# Altium PCB Scope.PcbDoc (continued)
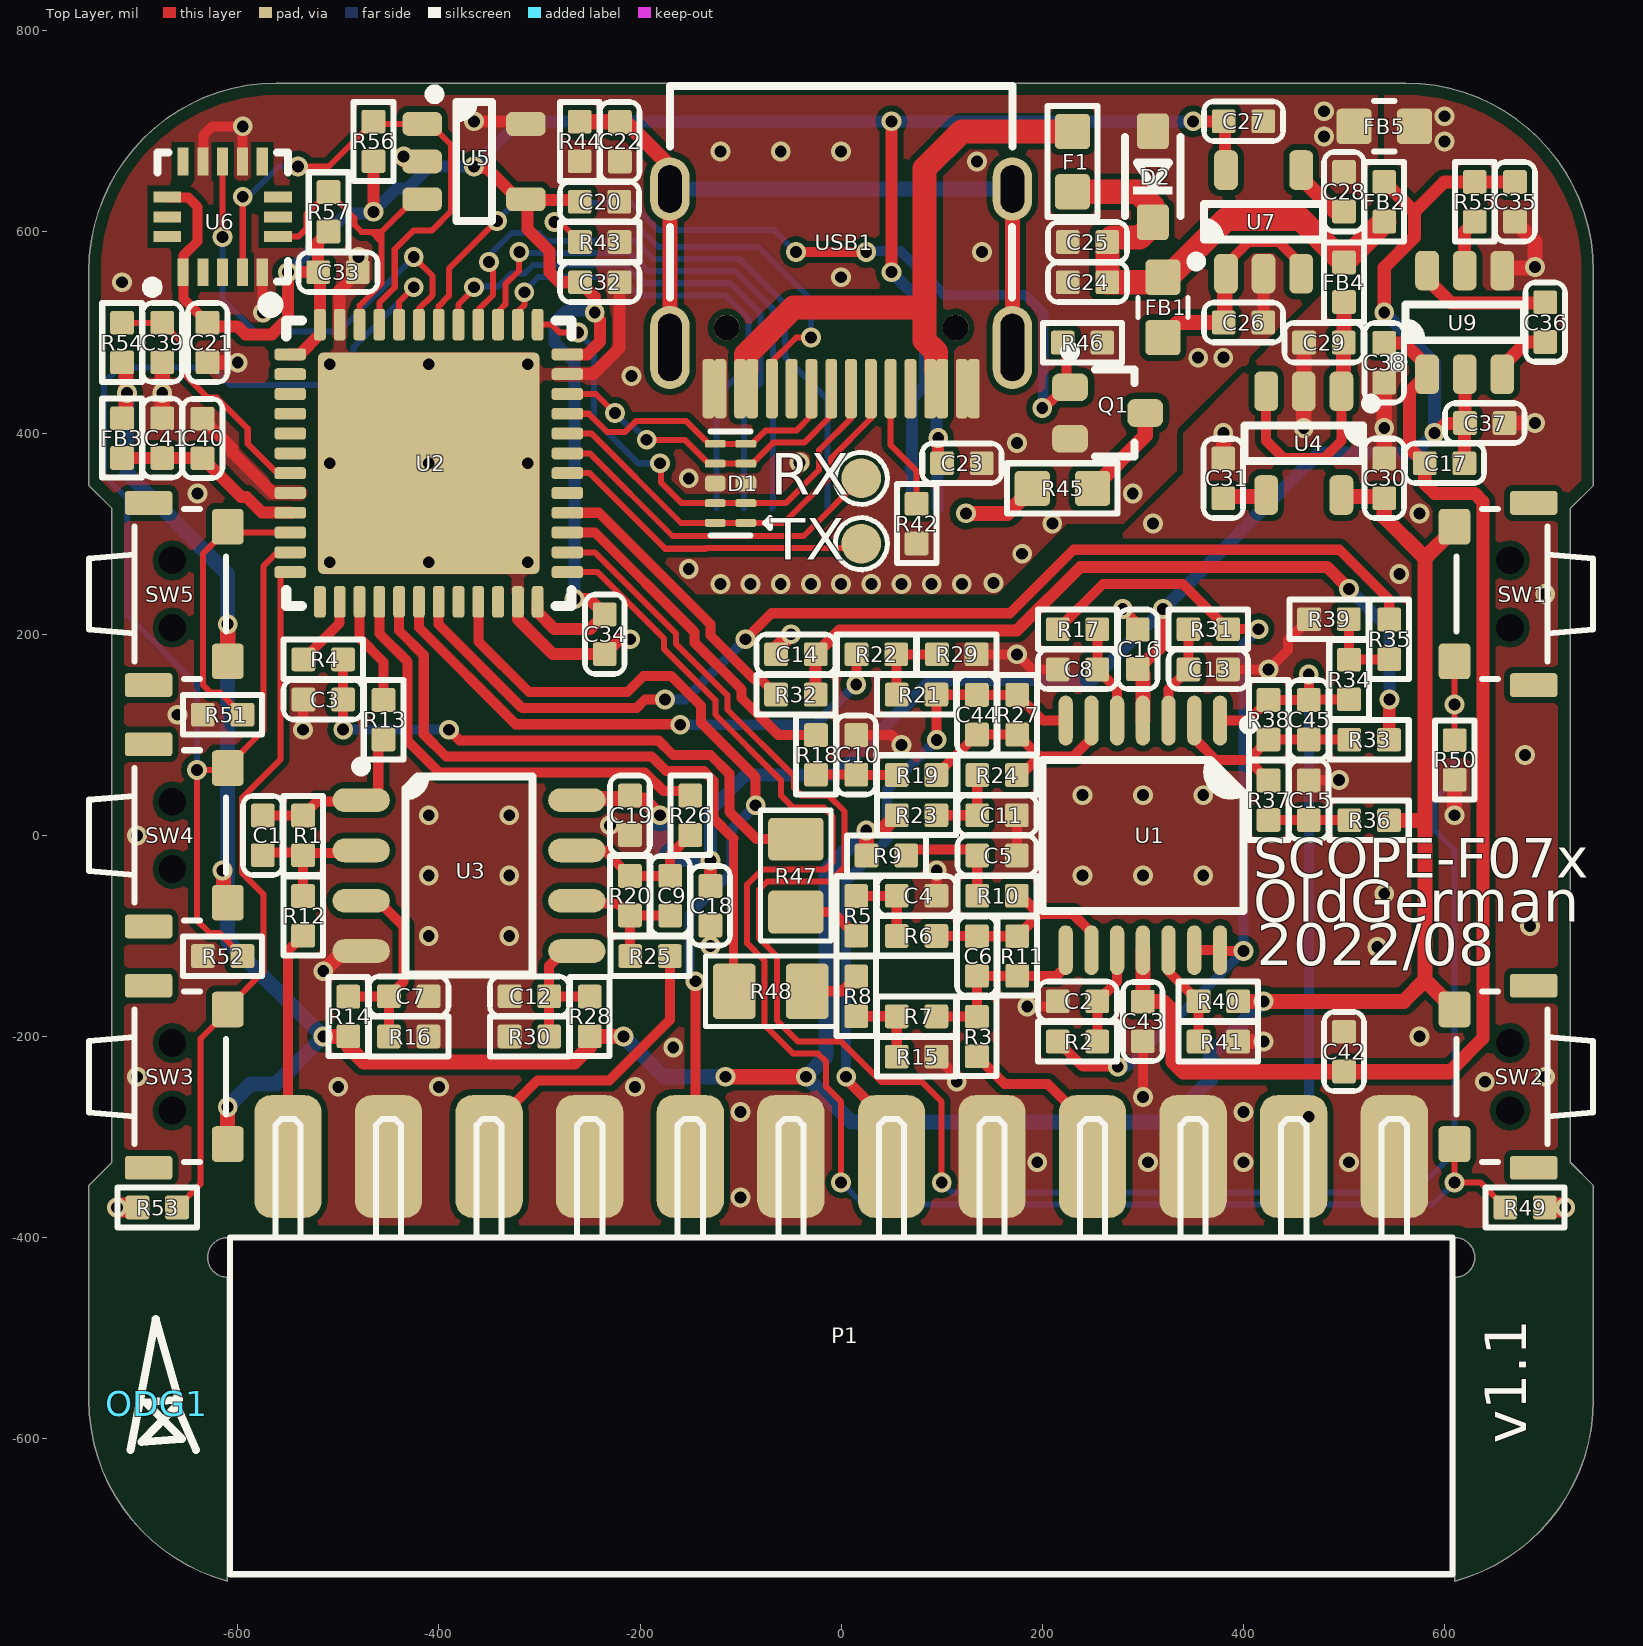
[diagram p0: Top Layer view]
## Footprints (in the part's own frame and the unit in brackets; to place one, negate y for a bottom-side part, rotate by r counter-clockwise, add the part's x,y. Pads: shape width x height; smd on the part's side, far side on the other; paste and mask are expansions set on the pad) (continued)
ODG_LOGO [mil]
  silkscreen extent -26,-46 39,84
"ON SEMI TSSOP-14 948G" [mm] "TSSOP, 14-Leads, Body 5.00x4.40mm, Pitch 0.65mm, IPC Medium Density"
  oval 1.26x0.36 smd: 1(-2.9,1.95) 2(-2.9,1.3) 3(-2.9,0.65) 4(-2.9,0) 5(-2.9,-0.65) 6(-2.9,-1.3) 7(-2.9,-1.95) 8(2.9,-1.95) 9(2.9,-1.3) 10(2.9,-0.65) 11(2.9,0) 12(2.9,0.65) 13(2.9,1.3) 14(2.9,1.95)
  silkscreen extent -2.92,-2.54 1.91,2.8, body extent -3.21,-2.5 3.21,2.5, height 1.2
R0402 [mm]
  rrect20% 0.6x0.6 smd: 1(-0.5,0) 2(0.5,0)
  silkscreen extent -1,-0.5 1,0.5, body extent -0.5,-0.25 0.5,0.25, height 0.35
R0603 [mil]
  rrect25% 35x35 smd: 1(-30,0) 2(30,0)
  silkscreen extent -55,-25 55,25, body extent -31,-16 31,16, height 18
R0805 [mil]
  rrect20% 42.5x55 smd: 1(-36.26,0) 2(36.26,0)
  silkscreen extent -65,-35 65,35, body extent -39,-25 39,25, height 24
SOD-323 [mm]
  rrect25% 0.9x0.8 smd: 1(-1.15,0) 2(1.15,0)
  silkscreen extent -1,-0.7 1,0.7, body extent -1.36,-0.62 1.36,0.63, height 1.05
TACTILE_SWITCH_SMD_4.6x1.82x3.5mm_1TS003B [mm]
  round 0.65 hole 0.7: 0(0.85,0) 0_1(-0.85,0)
  rrect25% 0.9x0.8 smd: 1(-1.7,-1.4) 2(1.7,-1.4)
  rrect25% 0.6x1.2 smd: 3(-2.3,0.6) 3_1(2.3,0.6)
  silkscreen extent -2.15,-1.35 2.15,2.1, body extent -2.35,-1.55 2.35,2.1, height 1.9
Type-C-TOP [mm]
  round 0.65 hole 0.65: 0(-6.1,-2.89) 0_1(-6.1,2.89)
  oval 1.6x1 hole 0.6 slot 1.2 at 0 deg: 1(-2.6,4.325) 2(-2.6,-4.325)
  oval 2.1x1 hole 0.6 slot 1.7 at 0 deg: 3(-6.6,-4.325) 4(-6.6,4.325)
  rrect50% 1.5x0.3 smd: A1(-7.64,-3.35) A4(-7.64,-2.55) A5(-7.64,-1.25) A6(-7.64,-0.25) A7(-7.64,0.25) A8(-7.64,1.25) A9(-7.64,2.55) A12(-7.64,3.35) B1(-7.64,3.05) B4(-7.64,2.25) B5(-7.64,1.75) B6(-7.64,0.75) B7(-7.64,-0.75) B8(-7.64,-1.75) B9(-7.64,-2.25) B12(-7.64,-3.05)
  silkscreen extent -5.34,-4.33 0,4.33, body extent -7.69,-4.48 0.06,4.47, height 3.26
UFQFPN-48_7X7X0P55MM_VIA [mm] "STM32_QFN48"
  rrect50% 0.8x0.3 smd: 1(-3.5,2.75) 2(-3.5,2.25) 3(-3.5,1.75) 4(-3.5,1.25) 5(-3.5,0.75) 6(-3.5,0.25) 7(-3.5,-0.25) 8(-3.5,-0.75) 9(-3.5,-1.25) 10(-3.5,-1.75) 11(-3.5,-2.25) 12(-3.5,-2.75) 25(3.5,-2.75) 26(3.5,-2.25) 27(3.5,-1.75) 28(3.5,-1.25) 29(3.5,-0.75) 30(3.5,-0.25) 31(3.5,0.25) 32(3.5,0.75) 33(3.5,1.25) 34(3.5,1.75) 35(3.5,2.25) 36(3.5,2.75)
  rrect50% 0.3x0.8 smd: 13(-2.75,-3.5) 14(-2.25,-3.5) 15(-1.75,-3.5) 16(-1.25,-3.5) 17(-0.75,-3.5) 18(-0.25,-3.5) 19(0.25,-3.5) 20(0.75,-3.5) 21(1.25,-3.5) 22(1.75,-3.5) 23(2.25,-3.5) 24(2.75,-3.5) 37(2.75,3.5) 38(2.25,3.5) 39(1.75,3.5) 40(1.25,3.5) 41(0.75,3.5) 42(0.25,3.5) 43(-0.25,3.5) 44(-0.75,3.5) 45(-1.25,3.5) 46(-1.75,3.5) 47(-2.25,3.5) 48(-2.75,3.5)
  rrect5% 5.6x5.6 smd paste-10: 49(0,0)
  round 0.6 hole 0.3 mask-10: 49_1(0,0) 49_2(0,2.5) 49_3(0,-2.5) 49_4(-2.5,-2.5) 49_5(-2.5,0) 49_6(-2.5,2.5) 49_7(2.5,2.5) 49_8(2.5,-2.5) 49_9(2.5,0)
  silkscreen extent -4.14,-3.6 3.6,4.14, body extent -3.56,-3.56 3.56,3.56, height 0.61

## Part data
C1 C2 C3 C4 C5 C6 C7 C8 C9 C10 C11 C12 C13 C14 C15 C16 C17 C18 C19 C20 C21 C22 C23 C24 C25 C26 C27 C28 C29 C30 C31 C32 C33 C34 C35 C36 C37 C38 C39 C40 C41 C42 C43 C44 C45: library part CAP, "Capacitor"
D1: "Ultra-Low Capacitance TVS Protection", 学习资源=www.o, 属性=30V/0
D2: library part DIODE, "单向 5V TVS"
F1: library part FUSE, "贴片自恢复保险丝"
FB1 FB2 FB3 FB4 FB5: library part Ferrite, "磁珠"
Q1: library part N-MOS_123, "N-MOS"
R1 R2 R3 R4 R5 R6 R7 R8 R9 R10 R11 R12 R13 R14 R15 R16 R17 R18 R19 R20 R21 R22 R23 R24 R25 R26 R27 R28 R29 R30 R31 R32 R33 R34 R35 R36 R37 R38 R39 R40 R41 R42 R43 R44 R45 R46 R47 R48 R49 R50 R51 R52 R53 R54 R55 R56 R57: library part RES, "Resistor"
SW1 SW2 SW3 SW4 SW5: "Button"
U1: Manufacturer="Analog Devices", Manufacturer Part Number=ADA4622-4ACPZ-RL, PART NUMBER=ADA4622-4, Part number IPS=00000004963, Supplier Part Number 1=ADA4622-4ACPZ-R7-ND, Artikkelnr Noca=N.A., Component Class=Misc_ICs, ComponentLink1Description=Datasheet, ComponentLink1URL=https://www.analog.com/media/en/technical-documentation/data-sheets/ada4622-1-4622-2-4622-4.pdf, ComponentLink2Description="Supplier link", ComponentLink2URL=https://www.digikey.no/product-detail/en/analog-devices-inc/ADA4622-4ACPZ-RL/ADA4622-4ACPZ-RL-ND/6490586, Footprint Doc=QFN-16, HelpURL=https://www.analog.com/en/products/ada4622-4.html, LatestRevisionDate=2019-06-19, Pad Count=17, PartId=101900585, Pin Count=17, Published=2019-06-19, Publisher="Nordic Semiconductor", Supplier 1=Digi-Key, Supplier 2=Mouser, Supplier Part Number 2=584-ADA4622-4ACPZ-R7
U2: "Mainstream Arm Cortex-M0 USB line MCU with 128 Kbytes of Flash memory, 48 MHz CPU, USB, CAN and CEC functions", Mfr_Name=STMicroelectronics, Copyright="Copyright (C) 2022 Ultra Librarian. All rights reserved.", Manufacturer_Part_Number=STM32F072CBU6, RefDes=RefDes, Type=DEV
U3: library part AD8542, ComponentLink1Description=中文, ComponentLink1URL=https://www.analog.com/media/cn/technical-documentation/data-sheets/AD8541_8542_8544_cn.pdf, ComponentLink2Description="Data Sheet", ComponentLink2URL=https://www.analog.com/media/en/technical-documentation/data-sheets/AD8541_8542_8544.pdf, 学习资源=www.o
U4: library part LP2992, "LDO"
U6: "The LIS3DH is an ultra-low-power highperformance three-axis linear accelerometer belonging to the “nano” family, with digital I2C/SPI serial interface standard output. The device features ultra-low-power operational modes that allow advanced power saving and smart embedded functions.", ComponentLink1Description=Datasheet, ComponentLink1URL=https://www.bosch-sensortec.com/media/boschsensortec/downloads/datasheets/bst-bmi160-ds000.pdf
U7: "线性稳压芯片", 学习资源=www.o
U9: "Unregulated 200mA / Charge Pump Voltage Inverter  / 1.4-5.5V to -1.4-5.5V", 学习资源=www.o
USB1: library part USB-Type-C_16P

## Free pads (board coordinates)
  round 39.37 smd: 4(20,290) 5(20,355)

## Via types
v1: diameter 19.68, hole 11.81, Top Layer to Bottom Layer, tented both sides, 166 vias

## Nets (pads, with @x,y where several pads share a name; then routed paths per layer and width w, separated by ;. In a path a pad name is that pad's centre, name@x,y a point inside that pad or via, vN(x,y) a via of type N, cw(c..) or ccw(c..) an arc to the next point about the centre after c; other vN are vias at no path point)
AGND: C2.2 C3.1 C4.1 C5.1 C7.1 C8.2 C10.1 C11.1 C12.1 C13.2 C14.1 C15.1 C16.1 C18.1 C19.1 C29.2 C30.2 C31.2 C35.1 C37.2 C38.2 C39.2 C40.2 C41.2 C42.1 C43.1 FB5.2 P1.1 P1.3 P1.5 P1.7 P1.9 P1.11 R15.1 R16.1 R29.1 R30.1 R39.1 R41.1 R49.2 R50.2 R51.2 R52.2 R53.2 U2.8 U3.4 U4.2 U9.4 | length 1212.7
  Top Layer w10: v1(-535,105) -534.84,105.16 -534.84,134.84 C3.1 ; v1(-230,10) -227.38,10 -224.51,7.13 -216.81,7.13 C19.1 ; v1(-130,-110) C18.1 ; C10.1 50.32,99.69 v1(60,90) ; R15.1 112.19,-237.5 112.19,-242.19 v1(115,-245) ; C4.1 95,-59.68 v1(95,-35) ; R29.1@135,180 v1(175,180) 190,165 C8.2 ; C5.1 C11.1 ; v1(185,-170) 210.31,-170 C2.2 ; v1(280,225) 295,210 C16.1 ; v1(300,-260) C43.1 ; C13.2 v1(425,165) 444.36,184.36 444.36,194.05 R39.1 ; C15.1 465.16,54.84 494.84,54.84 v1(495,55)
  Top Layer w12: C40.2 -605,384.37 -605,380.47 -565.09,340.57 -547.88,340.57 U2.8
  Top Layer w15: C41.2 v1(-675,440) C39.2@-675,470 ; v1(-515,-135) -514.51,-135 -494.51,-115 U3.4 ; C14.1 -64.68,185.31 v1(-50,200) ; C31.2 v1(380,400) ; R41.1 v1(420,-205) ; v1(460,405) U4.2 460.16,441.73 460.16,489.84 C29.2 ; C30.2 v1(540,405) C38.2 ; v1(610,20) R50.2 ; U9.4 659.93,564.1 689.1,564.1 v1(690,565) 690,590.31 C35.1 ; C37.2 v1(690,410)
  Top Layer w19.68: v1(-720,-370) R53.2 ; R49.2 v1(720,-370)
  other v1: -100,-360 195,-325 305,-325 400,-325 505,-325 -100,-275 400,-275 -500,-250 -400,-250 -205,-250 640,-245 -700,-240 700,-240 -167,-211 575,-200 533,-111 -410,-100 -330,-100 685,-90 540,-58 -410,-40 -330,-40 240,-40 300,-40 360,-40 -700,0 -410,20 -330,20 240,40 300,40 360,40 680,80 -660,120 700,240 555,260 310,310 575,320 -640,340 600,690 600,715
CC1: R42.1 USB1.A5 | length 125.2
  Top Layer w6: USB1.A5 49.21,388.03 75,362.24 R42.1
CC2: R43.2 USB1.B5 | length 425
  Top Layer w6: v1(-285,610) -282.38,607.38 -277.07,607.38 R43.2 ; USB1.B5 -70,445.32 -70,469.86 -44.86,495 v1(-29.93,495)
  Bottom Layer w6: -275,610 -206.99,610 -181.99,585 -82.12,585 -29.93,532.81 v1(-29.93,495)
D+_A6: D1.2 D1.9 U2.37 USB1.A6 | length 512.7
  Top Layer w6: U2.37 -287.8,507.8 -280.11,500.11 v1(-261.43,500.11) ; v1(-180,370) -179.34,369.34 -179.34,351.16 -158.5,330.31 D1.9 D1.2 -55.2,330.32 -22,363.52 -22,383 9.84,414.84 USB1.A6
  Bottom Layer w6: v1(-261.43,500.11) -245.81,484.49 -245.81,414.16 -201.65,370 v1(-180,370)
D+_B6: D1.5 D1.6 U2.33 USB1.B6 | length 302.6
  Top Layer w6: U2.33 -250.86,419.21 -232.8,401.16 -214.7,401.16 -203.66,412.2 -154.48,412.2 -131.65,389.37 D1.6 D1.5 -88.35,389.37 -75.28,402.43 -44.56,402.43 -29.53,417.47 USB1.B6
D-_A7: D1.4 D1.7 U2.34 USB1.A7 | length 337.6
  Top Layer w6: U2.34 -243.9,438.9 v1(-225,420) ; v1(-193.35,393.35) -155.32,393.35 -131.65,369.68 D1.7 D1.4 -88.35,369.68 -67.6,390.43 -36.87,390.43 -9.84,417.47 USB1.A7
  Bottom Layer w6: v1(-225,420) -211.68,406.68 -206.68,406.68 v1(-193.35,393.35)
D-_B7: D1.1 D1.10 U2.32 USB1.B7 | length 421.4
  Top Layer w6: U2.32 -248.15,399.53 -159.25,310.63 D1.10 D1.1 -57.05,310.63 -10,357.68 -10,375 29.53,414.53 USB1.B7
GND: C20.2 C21.2 C22.2 C23.1 C24.2 C25.2 C26.2 C27.2 C28.2 C32.2 C33.2 C34.2 D1.3 D1.8 D2.1 FB5.1 LCD1.1 LCD1.5 LCD1.6 LCD1.8 LCD1.12 Q1.2 R42.2 R43.1 R44.2 R46.1 U2.23 U2.35 U2.47 U2.49 U2.49_1 U2.49_2 U2.49_3 U2.49_4 U2.49_5 U2.49_6 U2.49_7 U2.49_8 U2.49_9 U5.2 U5.5 U6.5 U6.10 U6.12 U7.2 USB1.A1 USB1.A12 USB1.B1 USB1.B12 | length 646.5
  Top Layer w10: U6.12 -634.17,670.63 -634.17,695.83 -625,705 -595.31,705 -595.16,704.85 -595.16,670.27 U6.10 ; U6.5 -575.32,559.57 -575.32,520.31 v1(-575,520)
  Top Layer w12: U2.47 -498.58,542.05 C33.2 C33.2@-480.63,569.37 ; v1(-435,675) -435,670 U5.2 ; v1(-365,710) -320.83,710 -315.83,705 U5.5 ; U2.23 -321.33,232.11 -321.33,214.91 -286.73,180.31 C34.2 -220.32,195 v1(-210,195) ; U2.35 -272.11,458.68 -246.52,458.68 -220.32,484.88 C32.2 ; C26.2 420,510.31 U7.2
  Top Layer w15: C21.2 -629.84,470.16 -600.16,470.16 v1(-600,470)
  other v1: -120,250 -90,250 -60,250 -30,250 0,250 30,250 60,250 90,250 120,250 151.57,251.06 -151.55,265 180,280 210,310 290,340 -151.54,355 -41.3,370.87 175,390 -208.35,456.65 355,475 380,475 -715,550 0,555 -480,575 140,580 135,670 -120,680 -60,680 0,680 480,695 -595,705 480,720
KEY_L: R51.1 SW5.2 U2.10 | length 283.6
  Top Layer w6: R51.1 -617.25,141.93 -626.93,141.93 -634.63,149.63 -634.63,280.21 -609.88,304.96 SW5.2 -604.06,301.1 U2.10
KEY_O: R52.1 SW4.2 U2.11 U2.44 | length 1329.9
  Top Layer w6: SW4.2@-611.65,68.7 -610.08,68.7 -574.5,104.28 -574.5,267.67 -560.76,281.42 U2.11 ; SW4.2 -613.42,66.93 -615.35,65 v1(-640.61,65) -640.61,-84.39 -628.05,-96.95 -618.37,-96.95 R52.1 ; U2.44 -439.53,530.47 v1(-425,545)
  Bottom Layer w6: v1(-640.61,65) -640.61,149.93 -710,219.32 -710,335 -733.03,358.03 -733.03,449.47 -717.5,465 -625,465 -607.61,447.61 -499.81,447.61 -485,462.42 -485,485 v1(-425,545)
KEY_R: R53.1 SW3.2 U2.12 | length 700
  Top Layer w6: R53.1 -636.78,-346.46 -636.78,-201.94 -609.88,-175.04 -609.88,-171.1 -574.5,-135.72 -574.5,-58.42 -595.81,-37.11 -595.81,37.11 -557.59,75.34 -557.59,258.83 -554.68,261.73 U2.12
LCD_BL: Q1.1 R46.2 U2.42 | length 902.3
  Top Layer w6: U2.42 -400.16,526.22 -390,536.38 -390,563.24 v1(-342.28,611.01) v1(-342.28,611.01)
  Top Layer w10: v1(-45,580) v1(25,580) ; v1(200,425) 202.05,425 222.64,445.59 Q1.1 223.96,449.23 223.96,486.36 R46.2
  Bottom Layer w6: v1(-342.28,611.01) -324.45,628.84 -208.86,628.84 -182.16,602.14 -67.14,602.14 v1(-45,580)
  Bottom Layer w10: v1(25,580) 25.84,580.84 59.16,580.84 102.5,537.5 182.99,537.5 200.96,519.52 200.96,425.96 v1(200,425)
LCD_DC: LCD1.7 U2.40 | length 629.8
  Top Layer w6: U2.40 -360.79,522.56 -346.16,537.2 -346.16,562.45 -350,566.3 v1(-350,570)
  Bottom Layer w6: v1(-350,570) -347.38,572.62 -347.38,579.27 -327.8,598.84 -300.49,598.84 -292.8,591.16 -205.11,591.16 -186.96,573 -100.2,573 -55.98,528.78 -55.98,475.98 -13.75,433.75 LCD1.7@-13.75,325.2
LCD_LEDK: LCD1.2 R45.2 | length 76.2
  Top Layer w15: v1(124.04,320.2) 165.2,320.2 R45.2
LCD_MOSI: LCD1.10 U2.41 | length 558.1
  Top Layer w6: U2.41 -380.47,528.01 -365,543.48 v1(-365,545)
  Bottom Layer w6: v1(-365,545) -364,546 -340.65,546 -327.8,558.84 -314.51,558.84 -306.35,567 -214.9,567 -196.9,549 -110.14,549 -79.98,518.84 -79.98,450.02 -96.43,433.57 LCD1.10@-96.43,325.2
LCD_RSTn: LCD1.11 U2.38 | length 483.9
  Top Layer w6: U2.38 -321.42,520.76 -315,527.18 v1(-315,540)
  Bottom Layer w6: v1(-315,540) -315,541.38 -301.38,555 -219.87,555 -201.87,537 -115.11,537 -91.98,513.87 -91.98,468.02 -123.99,436.01 LCD1.11@-123.99,325.2
LCD_SCK: LCD1.9 U2.39 | length 555.2
  Top Layer w6: U2.39 -341.1,520.77 -333.84,528.03 -333.84,547.8 -320.49,561.16 -320.49,579.51 v1(-320,580)
  Bottom Layer w6: v1(-320,580) -319.16,579.16 -210.08,579.16 -191.93,561 -105.17,561 -67.98,523.81 -67.98,326.08 LCD1.9@-68.87,325.2
MEM_SCL: R56.2 U2.45 U5.1 U6.4 | length 541.9
  Top Layer w6: U6.4 -595,560.19 v1(-595,635) ; v1(-540,665) -509.68,665 R56.2 -462.72,707.4 U5.1 -408.7,707.4 -387.89,686.59 -387.89,620.52 -406.75,601.66 -424.99,601.66 -443.84,582.8 -443.84,544.85 -459.21,529.48 U2.45
  Bottom Layer w6: v1(-595,635) -589.46,635 -559.46,665 v1(-540,665)
MEM_SDA: R57.2 U2.46 U5.3 U6.6 | length 319.1
  Top Layer w6: U6.6 -539.68,595.31 -531.76,603.23 -531.76,617.6 R57.2 -483.84,613.84 -483.84,606.95 -476.94,600.05 -457,600.05 ; U2.46 -478.9,526.76 -457,548.66 -457,600.05 ; -466.97,600.05 -457.23,590.3 ; U5.3 -424.45,632.6 -457,600.05
NetC1_1: C1.1 R1.2 R13.1 U3.1 | length 179.9
  Top Layer w10: C1.1 R1.2 -520.83,33.86 -467.71,33.86 -460.28,41.29 -460.28,90.04 R13.1
NetC1_2: C1.2 R1.1 R12.2 U3.2 | length 138.8
  Top Layer w10: C1.2 -572.5,-17.18 R1.1@-537.5,-17.18 ; R12.2 R1.1 -532.66,-17.34 -479.63,-17.34 U3.2
NetC2_1: C2.1 R2.2 U1.10 | length 99
  Top Layer w10: R2.2 C2.1 274.41,-145.28 U1.10
NetC3_2: C3.2 R4.2 R47.1 | length 587.3
  Top Layer w10: R4.2 C3.2 -495.16,134.84 v1(-495.16,105.16) ; v1(-390,105) -379.5,94.5 -181.76,94.5 -167.27,80 -129.89,80 -111.19,61.3 -111.19,23.56 -83.89,-3.74 R47.1
  Bottom Layer w10: v1(-495.16,105.16) -390.16,105.16 v1(-390,105)
NetC4_2: C4.2 R5.2 R6.1 | length 80.1
  Top Layer w10: R5.2 15.16,-60.16 55.16,-60.16 55.32,-60.32 R6.1
NetC5_2: C5.2 R9.2 R10.1 | length 115.5
  Top Layer w10: R9.2 70.53,-14.16 129.47,-14.16 C5.2 R10.1
NetC6_1: C6.1 R3.1 R7.2 R11.2 U1.8 | length 189.6
  Top Layer w10: R7.2 94.84,-180.16 134.84,-180.16 R3.1 C6.1 R11.2 214.3,-139.68 223.23,-130.76 U1.8
NetC6_2: C6.2 R6.2 R10.2 R11.1 U1.9 | length 218.4
  Top Layer w10: R6.2 94.84,-100.16 134.84,-100.16 C6.2 R11.1 196.94,-78.37 ; R10.2 178.57,-60 196.94,-78.37 ; U1.9 248.82,-96.46 230.73,-78.37 196.94,-78.37
NetC7_2: C7.2 R14.2 R16.2 U3.3 | length 208.8
  Top Layer w10: R14.2 -489.84,-160.16 C7.2@-449.84,-160.16 ; U3.3 -460.55,-65 -435,-90.55 -435,-145.32 C7.2 C7.2@-449.84,-160.16 ; R16.2 -449.68,-160.32 C7.2@-449.84,-160.16
NetC8_1: C8.1 R17.2 U1.5 | length 99
  Top Layer w10: R17.2 C8.1 274.41,145.27 U1.5
NetC9_1: C9.1 R20.2 R26.1 U3.7 | length 152.1
  Top Layer w10: U3.7 -235.32,-15 R20.2 C9.1 -170,-19.68 R26.1
NetC9_2: C9.2 R20.1 R25.2 U3.6 | length 139.2
  Top Layer w10: U3.6 -260.11,-67.61 -222.08,-67.61 -209.84,-79.84 -209.84,-119.84 R25.2 ; R20.1 C9.2
NetC10_2: C10.2 R18.2 R19.1 | length 80.4
  Top Layer w10: R18.2 C10.2 15.16,60.16 55.16,60.16 R19.1
NetC11_2: C11.2 R23.2 R24.1 | length 80.6
  Top Layer w10: R23.2 C11.2 R24.1
NetC12_2: C12.2 R28.2 R30.2 U3.5 | length 144.5
  Top Layer w10: R30.2 C12.2 ; U3.5 -275.76,-115 -290.32,-129.55 C12.2 ; R28.2 -250.16,-160.16 -290.16,-160.16 C12.2
NetC13_1: C13.1 R31.2 U1.3 | length 99
  Top Layer w10: U1.3 325.59,145.28 C13.1 R31.2
NetC14_2: C14.2 R32.2 R33.1 | length 782.4
  Top Layer w12: R32.2 C14.2 -1.5,203.81 174.92,203.81 238.11,267 483,267 v1(505,245) ; R33.1 545,95.31 545,134.84 v1(545.31,135.16)
  Bottom Layer w12: v1(505,245) 545.31,204.69 v1(545.31,135.16)
NetC15_2: C15.2 R36.2 R37.1 | length 80.4
  Top Layer w10: R37.1 C15.2 465.16,15.16 505.16,15.16 R36.2
NetC22_1: C22.1 R44.1 USB1.1 USB1.2 USB1.3 USB1.4 | length 786.8
  Top Layer w15: R44.1 -259.84,709.53 -220.16,709.53 C22.1 -219.37,710 -215,710 -170.28,665.28 USB1.1 USB1.4 ; USB1.3 USB1.2
  Bottom Layer w15: USB1.1 USB1.2
NetC26_1: C26.1 FB1.2 U7.1 U7.3 | length 227.6
  Top Layer w10: U7.1 382.6,567.6 405,590 435,590 457.4,567.6 U7.3
  Top Layer w15: FB1.2 335,510 C26.1 381.46,511.14 381.46,557.28 U7.1
NetC28_1: C28.1 U7.4 | length 64.3
  Top Layer w15: U7.4 457.4,653.7 490.79,620.31 C28.1
NetC29_1: C29.1 FB4.2 U4.1 U4.3 | length 277.4
  Top Layer w10: U4.3 422.6,392.4 440,375 480,375 497.4,392.4 U4.1
  Top Layer w15: U4.1 499.69,443.86 C29.1 499.84,490.16 499.84,530.16 FB4.2
NetC31_1: C31.1 U4.4 | length 43.9
  Top Layer w15: C31.1 381.56,336.87 421.04,336.87 U4.4
NetC36_1: C36.1 U9.3 | length 60.6
  Top Layer w13: U9.3 657.4,466.3 681.73,490.63 C36.1
NetC36_2: C36.2 U9.6 | length 135.9
  Top Layer w13: U9.6 587.91,556.26 587.91,547.95 606.47,529.39 699.39,529.39 C36.2
NetC39_1: C39.1 R54.2 U2.7 | length 255.1
  Top Layer w6: R54.2 C39.1 -650.81,485.5 -650.81,456.16 -629.83,435.18 -620.84,435.18 -590,404.34 -590,389.4 -560.76,360.16 U2.7
NetC40_1: C40.1 C41.1 FB3.2 U2.9 | length 189.8
  Top Layer w12: FB3.2 C41.1 -674.84,375.16 -635.16,375.16 -596.65,336.65 -591.47,336.65 -575.71,320.88 -547.88,320.88 U2.9
NetC44_1: C44.1 P1.6 R21.2 R27.2 U1.7 | length 654.4
  Top Layer w10: v1(5,-240) 5,-242.62 50,-287.62 P1.6 ; R21.2 R21.2@94.84,139.84 ; v1(95,95) 95,139.69 R21.2@94.84,139.84 ; U1.7 200.51,114.17 R27.2 C44.1 134.84,139.84 R21.2@94.84,139.84
  Bottom Layer w10: v1(5,-240) 5,-45 45.84,-4.16 45.84,45.84 v1(95,95)
NetC44_2: C44.2 R19.2 R24.2 R27.1 U1.6 | length 235
  Top Layer w10: R19.2 C44.2 R27.1 196.94,78.37 ; R24.2 178.57,60 196.94,78.37 ; U1.6 248.82,96.47 230.72,78.37 196.94,78.37
NetC45_1: C45.1 P1.2 R34.2 R38.2 U1.1 | length 602.1
  Top Layer w10: U1.1 404.49,114.17 R38.2 C45.1 ; v1(465,160) C45.1 ; R34.2 504.69,135 465.31,135 C45.1
  Bottom Layer w10: v1(465,-279.81) v1(465,160)
NetC45_2: C45.2 R33.2 R37.2 R38.1 U1.2 | length 217.6
  Top Layer w10: U1.2 351.18,96.46 372.64,75 405,75 ; R37.2 405,74.68 405,75 ; R38.1 405,75.32 405,75 ; R38.1@425.31,95.32 C45.2 R33.2@505.31,95.32
NetP1_4: P1.4 R3.2 | length 172.4
  Top Layer w10: R3.2 162.58,-247.27 205.54,-247.27 250,-291.73 P1.4
NetP1_8: P1.8 U2.21 | length 802.9
  Top Layer w10: U2.21 -360.79,192.88 -310.4,142.5 -212.5,142.5 -196.56,158.44 -168.96,158.44 -139.16,128.63 -139.16,111.89 -85,57.73 v1(-85,30) ; P1.8 -145,-314.29 v1(-145,-145)
  Bottom Layer w10: v1(-145,-145) -145,-142.38 -150.84,-136.54 -150.84,-78.55 -109.16,-36.86 -109.16,5.84 v1(-85,30)
NetP1_10: P1.10 R25.1 | length 315.6
  Top Layer w10: P1.10 -350,-291.73 -302.08,-243.81 -230.6,-243.81 -170.32,-183.52 R25.1
NetP1_12: P1.12 R12.1 | length 225.8
  Top Layer w10: P1.12 -550,-114.68 R12.1
NetQ1_3: Q1.3 R45.1 | length 96.7
  Top Layer w15: R45.1 302.4,397.4 Q1.3
NetR4_1: R4.1 U2.14 | length 72.2
  Top Layer w10: R4.1 -498.58,211.1 U2.14
NetR5_1: R5.1 R47.2 | length 69.7
  Top Layer w10: R47.2 -8.43,-76.26 R5.1
NetR7_1: R7.1 R8.2 R15.2 | length 80.4
  Top Layer w10: R8.2 15.16,-179.84 55.16,-179.84 R7.1 R15.2
NetR8_1: R8.1 R48.1 | length 54.8
  Top Layer w10: R48.1 0.32,-155 R8.1
NetR13_2: R13.2 U2.15 | length 107.4
  Top Layer w10: U2.15 -478.9,196.38 -455,172.48 R13.2
NetR18_1: R18.1 U2.27 | length 341.7
  Top Layer w10: U2.27 -244.68,301.1 -146,202.42 -146,192.04 -99.16,145.2 -99.16,136.68 -62.16,99.69 R18.1
NetR21_1: R21.1 R22.2 R29.2 | length 80.9
  Top Layer w10: R21.1 55,140.31 55,179.69 R22.2 R29.2
NetR22_1: R22.1 U2.18 | length 547.1
  Top Layer w10: U2.18 -419.84,206.68 -323.66,110.5 -160.5,110.5 v1(-160,110) ; v1(15,150) 15.16,150.16 15.16,179.84 R22.1
  Bottom Layer w10: v1(-160,110) -25,110 v1(15,150)
NetR26_2: R26.2 U2.16 | length 453.4
  Top Layer w10: U2.16 -459.21,200.79 -431,172.58 -431,93.9 -399.6,62.5 -195.02,62.5 -176.81,44.29 -154.61,44.29 R26.2
NetR32_1: R32.1 U2.28 | length 289
  Top Layer w10: U2.28 -240.79,320.79 -130,210 -130,198.67 -86.33,155 -79.68,155 R32.1
NetR34_1: R34.1 R35.2 R39.2 | length 80.7
  Top Layer w10: R39.2 504.84,214.84 504.84,174.84 R34.1 505.31,175 544.69,175 R35.2
NetR35_1: R35.1 U2.19 | length 1107.7
  Top Layer w10: U2.19 -400.16,209.63 -317.03,126.5 -203.5,126.5 -195,135 v1(-175,135) ; v1(-95,195) -69.16,220.84 167.91,220.84 231.06,284 495.48,284 545,234.48 R35.1
  Bottom Layer w10: v1(-175,135) -155,135 v1(-95,195)
NetR40_2: R40.2 R41.2 U1.12 | length 103.1
  Top Layer w10: U1.12 325.59,-135.28 R40.2 R41.2
NetR48_2: R48.2 U2.17 | length 667
  Top Layer w9: R48.2@-107.19,-154.07 -107.19,-3.07
  Top Layer w10: U2.17 -439.53,203.74 -415,179.21 -415,100.52 -392.97,78.5 -188.39,78.5 -173.89,64 -136.52,64 -127.19,54.67 -127.19,16.93 -107.19,-3.07 ; R48.2@-107.19,-154.07 R48.2
NetR49_1: R49.1 SW2.2 U2.25 | length 1603.3
  Top Layer w6: U2.25 -242.08,261.73 -176,195.65 -176,185.27 -125.16,134.43 -125.16,120.16 -60,55 -60,40 -47.5,27.5 -17.26,27.5 -8.5,18.75 -8.5,-26.23 -16.28,-34.01 -78.71,-34.01 -93.5,-48.8 -93.5,-107.36 -75.99,-124.87 -75.99,-188.71 -47.7,-217 -23,-217 -15,-225 -15,-250 0,-265 v1(0,-345) ; SW2.2 610,-307.05 v1(610,-345) 635.31,-345 R49.1
  Bottom Layer w6: v1(0,-345) 22,-367 588,-367 v1(610,-345)
NetR50_1: R50.1 SW1.2 U2.26 | length 2035.1
  Top Layer w6: U2.26 -244.8,281.42 -164,200.62 -164,190.25 -113.16,139.4 -113.16,125.13 -46.67,58.64 -46.67,47.02 -39.16,39.5 -12.29,39.5 3.5,23.72 3.5,-31.2 -11.31,-46.01 -73.74,-46.01 -81.5,-53.77 -81.5,-102.39 -63.99,-119.9 -63.99,-183.74 -42.73,-205 0,-205 40,-245 80,-245 100,-265 v1(100,-345) ; R50.1@610,95 v1(610,130) SW1.2@610,170
  Bottom Layer w6: v1(100,-345) 110,-355 570,-355 610,-315 610,-15 590,5 590,35 610,55 v1(610,130)
NetR55_1: R55.1 U9.5 | length 52.9
  Top Layer w13: U9.5 620,600.31 R55.1
NetU2_43: U2.43 U6.11 | length 451.4
  Top Layer w6: v1(-615,595) U6.11 ; v1(-425,575) -406.16,556.16 -406.16,537.2 -419.84,523.51 U2.43
  Bottom Layer w6: v1(-615,595) -615,533.35 -582.8,501.16 -498.84,501.16 v1(-425,575)
RX: pad.5 U2.31 | length 350
  Top Layer w6: U2.31 -249.84,379.84 -167.69,297.69 -37.31,297.69 pad.5
TX: pad.4 U2.30 | length 325.4
  Top Layer w6: U2.30 -250.16,360.16 -175,285 -135,285 -134.31,285.69 15.69,285.69 pad.4
VCC_3V3: C20.1 C21.1 C23.2 C27.1 C32.1 C33.1 C34.1 LCD1.3 LCD1.4 R56.1 R57.1 U2.1 U2.24 U2.36 U2.48 U5.4 U6.1 U6.14 U7.5 | length 2927.5
  Top Layer w10: U6.14 -669.61,634.17 -649.17,634.17 -640,625 -640,590.59 -653.86,576.73 -653.86,560.39 U6.1 -653.86,559.37 -653.86,533.54 C21.1
  Top Layer w12: C21.1 -626.45,506.13 -600.19,506.13 -592.21,498.16 -565.95,498.16 -550,514.11 v1(-550,560) C33.1 ; U2.1 -538.14,478.27 -538.04,478.36 -518.27,498.14 U2.48 -518.36,507.89 -518.36,558.36 C33.1 ; R57.1 -520,590 C33.1 ; v1(-465,620) R56.1 ; v1(-365,665) -363.53,663.53 -352.23,663.53 -321.3,632.6 U5.4 -312.67,631.84 -261.84,631.84 C20.1 ; U5.4@-314.72,631.3 -311.9,628.47 -311.9,602.79 -290,580.89 -290,560 -280,550 C32.1 -245,535.31 v1(-245,520) ; U2.24 -301.73,221.73 -285,205 -249.68,205 C34.1 -250.32,235 v1(-265,235) ; U2.36 -252.39,478.27 -239.59,491.06 -239.59,512.51 -244.57,517.49 v1@-247.51,517.49 ; v1(50,560) v1(50,710) ; v1@95,395 96.47,393.53 96.47,373.84 C23.2 ; v1(350,710) C27.1 381.46,708.86 381.46,662.72 U7.5
  Bottom Layer w12: v1(-550,560) -491.47,618.53 -466.47,618.53 v1(-465,620) -441.76,643.24 -430.87,643.24 -409.11,665 v1(-365,665) -320,710 v1(50,710) v1(350,710) ; v1(-265,235) -265,470 -285,490 -285,510 -273.05,521.95 v1@-245.43,521.95 ; v1(50,560) 83.54,526.46 83.54,447.91 ; LCD1.4@68.92,325.2 70.61,326.88 LCD1.4@70.61,366.25 ; LCD1.4 LCD1.4@70.61,366.25 ; LCD1.3@96.48,325.2 95.74,325.94 95.74,394.26 95,395 95,436.45 83.54,447.91 ; LCD1.4@70.61,366.25 70.61,434.98 83.54,447.91
  other v1: 96.5,395
VDA_1V65: R2.1 R17.1 R31.1 U1.13 U1.14 | length 855.1
  Top Layer w10: R2.1 240.31,-230 v1(275,-230) ; R17.1 260.31,250 339.69,250 R31.1 384.84,204.84 385,205 v1(415,205) ; U1.13 U1.14 377.6,-115 v1(400,-115)
  Bottom Layer w10: v1(275,-230) 285,-230 v1(400,-115) 400,190 v1(415,205)
VDA_3V3: C30.1 FB3.1 R9.1 R14.1 R23.1 R28.1 R36.1 R40.1 R54.1 SW1.1 SW2.1 SW3.1 SW4.1 SW5.1 U4.5 | length 3267.6
  Top Layer w15: FB3.1 -710.9,418.79 -710.9,439.1 v1(-710,440) -710.9,440.9 -710.9,466.21 R54.1 ; v1(-615,-35) -614.1,-35.9 -614.1,-62.71 SW4.1 ; v1(-610,-270) -610,-306.81 SW3.1 ; v1(-610,210) -609.94,209.94 SW5.1 SW5.1 ; v1(-515,-200) -514.84,-199.84 -490.16,-199.84 R14.1 -490,-210 -474.69,-225.31 -265.31,-225.31 -250.32,-210.32 R28.1@-250.32,-200 ; R28.1 R28.1@-250.32,-200 ; v1(-216.27,-200) R28.1@-250.32,-200 ; v1(-115,-240) v1(-35,-240) ; R9.1 25.16,-19.84 25.16,4.84 v1(25,5) 40.32,5 R23.1 ; R40.1 v1(420,-165) 559.46,-165 580.63,-143.82 ; U4.5 498.96,336.87 538.44,336.87 C30.1 540,316.35 580.63,275.71 ; R36.1 580.63,15 ; SW2.1 580.63,-143.82 ; SW1.1 609.88,304.96 580.63,275.71 ; 580.63,-143.82 580.63,15 ; 580.63,15 580.63,275.71
  Bottom Layer w15: v1(-710,440) -710,360 -610,260 v1(-610,210) -610,-105 v1(-515,-200) -562.13,-247.13 -587.13,-247.13 v1(-610,-270) ; v1(-216.27,-200) -176.27,-240 v1(-115,-240) ; v1(25,5) -15,-35 -15,-220 v1(-35,-240) 10,-285 325,-285 367.05,-242.95 367.05,-217.95 v1(420,-165)
VDA_5V0: C16.2 C17.2 C18.2 C19.2 C35.2 C37.1 FB2.1 R55.2 U1.4 U3.8 U9.2 | length 1783.6
  Top Layer w13: C18.2 v1(-130,-25) ; C16.2 309.57,179.89 310.12,179.89 319.31,189.08 319.31,224.31 v1(320,225) ; v1(540,520) 540,564.69 570,594.69 570,620.23 ; FB2.1 540.31,649.69 554.89,635.11 555.12,635.11 570,620.23 ; v1(590,400) 591.81,400 601.49,409.69 620,409.69 620,370.31 C17.2 ; C37.1@620,410 620.16,410.16 620.16,458.27 U9.2 ; C35.2@670,650 669.69,649.69 R55.2 599.69,649.69 570.12,620.12 570,620.23
  Top Layer w15: U3.8 -261.07,36.65 -213.04,36.65 C19.2 -205.69,35.37 -196.64,35.37 -181.27,20 v1(-180,20) ; C16.2 300,160.32 U1.4
  Bottom Layer w13: v1(-130,-25) -130,25 -95,60 -5,60 90,155 250,155 v1(320,225) 475,380 570,380 v1(590,400) 590,470 v1(540,520)
  Bottom Layer w15: v1(-180,20) -180,-10 -165.9,-24.1 -130.9,-24.1 v1(-130,-25)
VDA_-5V0: C17.1 C38.1 C42.2 C43.2 U1.11 U9.1 | length 1243.2
  Top Layer w13: C38.1 559.21,489.69 582.6,466.3 U9.1 565,440.83 565,385.31 C17.1 580.31,349.69 590,340 630,340 638.13,331.87 638.13,-201.87 605,-235
  Top Layer w15: U1.11 C43.2 300.31,-165 320,-165 330,-175 330,-225 340,-235 C42.2@500,-235 ; C42.2 C42.2@500,-235 ; 605,-235 C42.2@500,-235
VUSB: F1.1 USB1.A4 USB1.A9 USB1.B4 USB1.B9 | length 581.3
  Top Layer w24: USB1.B4@-94.3,461.74 -94.3,477.97 -47.27,525 82.98,525 ; USB1.B9@94.3,461.74 94.3,480.77 82.98,492.09 82.98,525 ; F1.1 120,700 82.98,662.98 82.98,525
VUSB_5V: C24.1 C25.1 D2.2 F1.2 FB1.1 FB2.2 FB4.1 | length 531.2
  Top Layer w24: F1.2 295,640 310,625 D2.2 310,607.76 296.56,594.31 269,594.31 C25.1 C24.1 315,550 FB1.1 ; FB1.1@322.5,552.5 383,613 456.69,613 FB4.1 500,570.31 FB2.2
pads on no net: SW1.0 SW1.0_1 SW1.3 SW1.3_1 SW2.0 SW2.0_1 SW2.3 SW2.3_1 SW3.0 SW3.0_1 SW3.3 SW3.3_1 SW4.0 SW4.0_1 SW4.3 SW4.3_1 SW5.0 SW5.0_1 SW5.3 SW5.3_1 U2.2 U2.3 U2.4 U2.5 U2.6 U2.13 U2.20 U2.22 U2.29 U6.2 U6.3 U6.7 U6.8 U6.9 U6.13 U6.15 U6.16 USB1.0 USB1.0_1 USB1.A8 USB1.B8

## Polygon pours and split planes (outlines as drawn)
GND on Bottom Layer "vcc-2" (solid, remove dead copper, pour order 8): -805,850 850,850 850,50 -520,50 -520,445 -615,445 -655,485 -655,525 -660,530 -805,530
AGND on Bottom Layer "vcc-2" (solid, remove dead copper, pour order 2): -900,530 -665,530 -650,515 -650,479 -611,440 -537,440 -527,430 -527,260 -520,253 -355,253 -350,248 -350,210 -300,160 -220,160 -147,233 163,233 230,300 280,300 340,360 340,400 420,480 460,520 540,600 540,820 860,820 860,-390 -900,-390
GND on Top Layer "vcc-2" (solid, remove dead copper, pour order 6): -805,850 850,850 850,310 225,310 155,240 -530,240 -530,450 -620,450 -655,485 -655,525 -660,530 -805,530
AGND on Top Layer "vcc-2" (solid, remove dead copper, pour order 0): -900,455 -555.63,455 -520,423.33 -520,260 -350,260 -340,250 -340,208.68 -291.32,160 -220,160 -145,235 165,235 230,300 280,300 340,360 340,400 420,480 460,520 540,600 540,820 860,820 860,-390 -900,-390

## Other copper
Top Layer:
  pour cut-out: -285.98,452.68 -282.05,448.74 -282.05,255.83 -295.83,242.05 -311.57,242.05 -315.51,245.98 -315.51,255.83 -311.57,259.76 -306.65,259.76 -299.76,266.65 -299.76,448.74 -295.83,452.68
  pour cut-out: -331.26,259.76 -327.32,255.83 -327.32,245.98 -331.26,242.05 -524.17,242.05 -537.95,255.83 -537.95,330.63 -524.29,344.29 -520.24,340.24 -520.24,266.65 -513.35,259.76
  pour cut-out: -504.49,494.02 -504.49,484.17 -508.43,480.24 -513.35,480.24 -520.24,473.35 -520.24,339.76 -523.82,336.18 -537.95,350.31 -537.95,484.17 -524.17,497.95 -508.43,497.95
  pour cut-out: -282.05,484.17 -282.05,468.43 -285.98,464.49 -295.83,464.49 -299.76,468.43 -299.76,473.35 -306.65,480.24 -488.74,480.24 -492.68,484.17 -492.68,494.02 -488.74,497.95 -295.83,497.95
  region net NetP1_8: -145,-145

## Silkscreen, mask and mechanical layers (free items; w line width, h text height)
Top Overlay:
  circle w5: c20,290 r25.91
  circle w5: c20,355 r25.91
  text "RX" at -70,325 h70.87
  text "TX" at -70,260 h70.87
  text "SCOPE-F07x" at 410,-55 h68
  text "OldGerman" at 410,-99.56 h70.87
  text "2022/08" at 413,-143 h70.87
  text "v1.1" at 695,-605 h70.87 r90
Bottom Overlay:
  text "v1.1" at -690,563 h60 r270
  text "2022/08" at 700.44,390 h70.87 r270
  text "OldGerman" at 640.44,389 h70.87 r270
  text "SCOPE-F07x" at 647.83,-666.94 h80 r270
Mechanical 1:
  the board outline again, w5
Mechanical 2:
  lines w5.98: -703.15,-561.42 ccw(c-561.42,-561.42) -561.42,-703.15 ; -703.15,561.42 cw(c-561.42,561.42) -561.42,703.15 ; 561.42,-703.15 ccw(c561.42,-561.42) 703.15,-561.42 ; 561.42,703.15 cw(c561.42,561.42) 703.15,561.42
  lines w6: -722.83,-785.83 722.83,-785.83 722.83,785.83 -722.83,785.83 -722.83,-785.83 ; -703.15,-703.15 -703.15,703.15 703.15,703.15 703.15,-703.15 -703.15,-703.15 ; -561.42,-561.42 -561.42,561.42 561.42,561.42 561.42,-561.42 -561.42,-561.42
Mechanical 15:
  lines w6: -1320,209.97 1310,209.97
  text "PCB Tickness: 1.0mm / Wire: 6mil/6mil / Via: 0.3/0.5mm / Draw By: OldGerman" at -455,-860 h39.37

## Text inside footprints (layer, text, board x,y; h text height)
U2: Mechanical 13 "*" at -542.5,463.11 h50